# Altium PCB HIVE_BOARD.PcbDoc (part 6 of 9)
Units mm, origin at the board's own origin, x right, y up, seen from the top; angles counter-clockwise.
Board outline 110 x 110 mm, 8 copper layers (Top, GND_1, Signal_1, GND_2, PWR, Signal_2, GND_3, Bottom), stack 1.6 mm thick; 674 components, 473 nets, 2528 pads, 2100 vias.
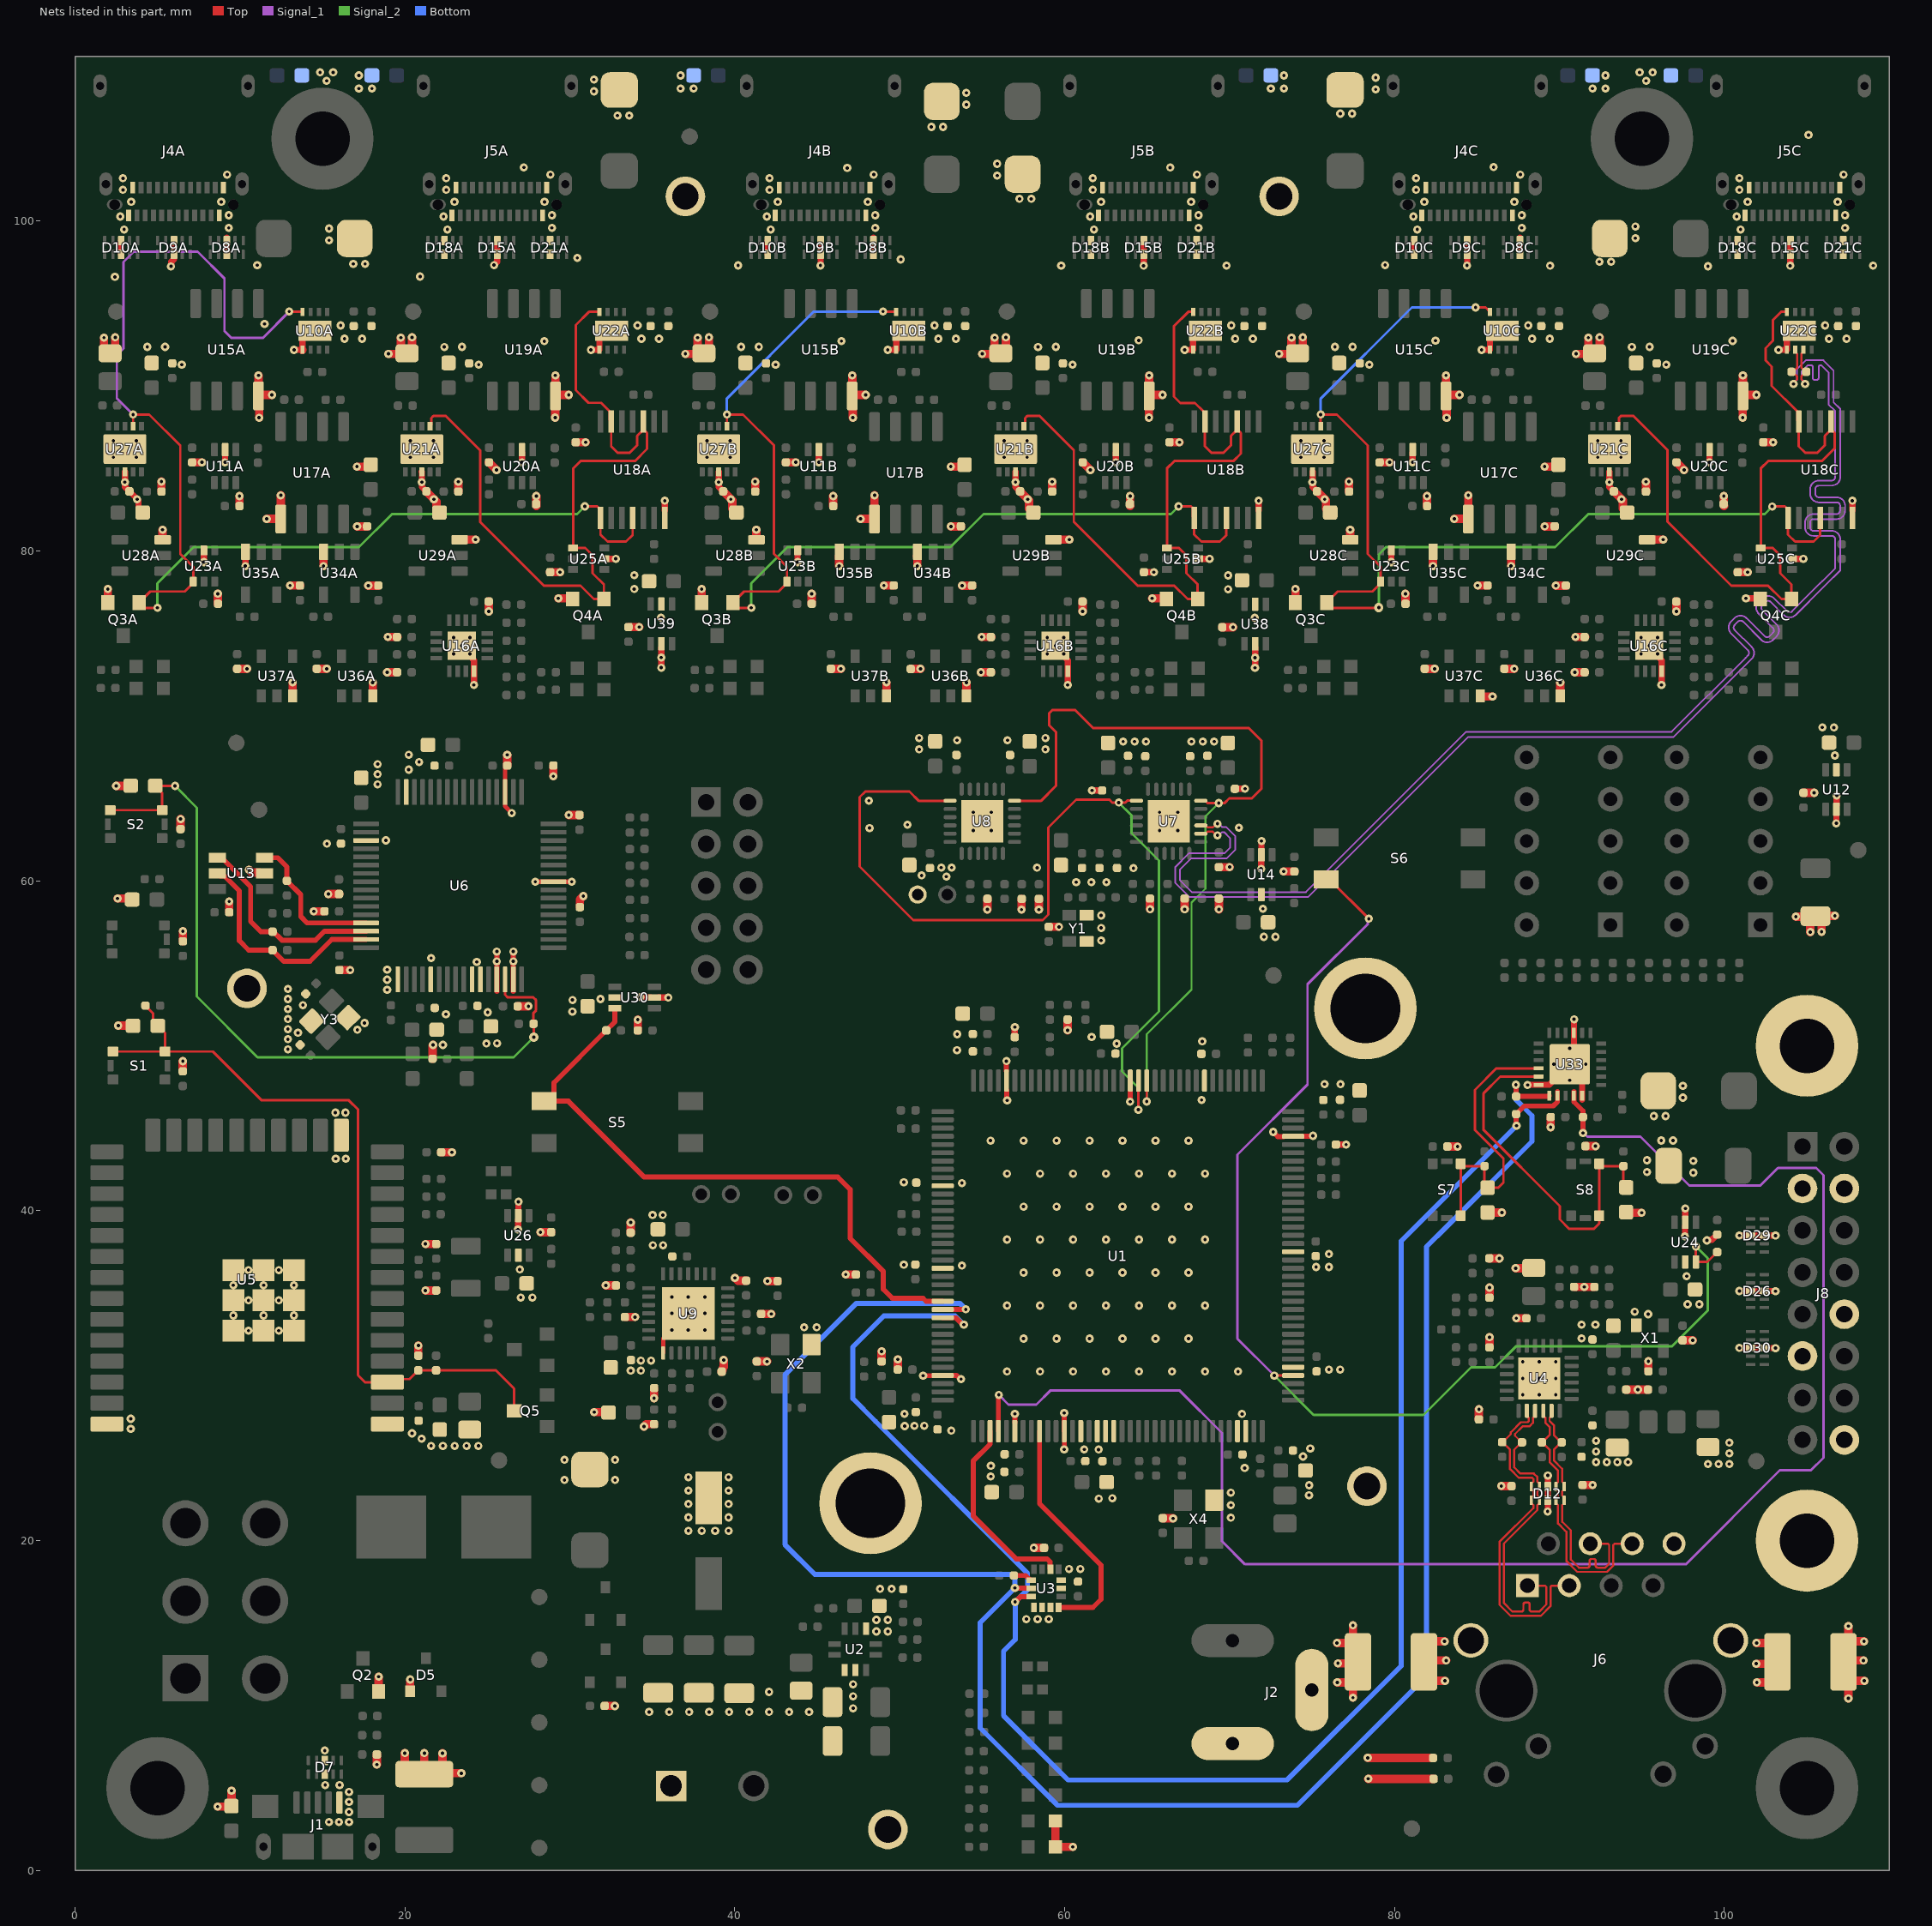
[diagram p12: the nets of this part, all layers, seen from the top]

## Via types
v1: diameter 0.5, hole 0.2, Top to Bottom, tented both sides, 1950 vias
v2: diameter 0.55, hole 0.2, Top to Bottom, tented both sides, 104 vias
v3: diameter 0.5, hole 0.2, Top to Bottom, 41 vias
v4: diameter 0.5, hole 0.2, Top to Bottom, tented bottom, 5 vias

## Nets (pads, with @x,y where several pads share a name; then routed paths per layer and width w, separated by ;. In a path a pad name is that pad's centre, name@x,y a point inside that pad or via, vN(x,y) a via of type N, cw(c..) or ccw(c..) an arc to the next point about the centre after c; other vN are vias at no path point) (continued)
CLK_1C_N: R128C.1 U7.14 U22C.2 | length 87.9
  Top w0.127: U7.14@68.254,62.863 68.542,62.863 68.665,62.986 68.974,62.986 69.198,62.762 v1(69.26,62.762) ; R128C.1@104.093,90.856 R128C.1@104.141,90.856 ; v1(104.186,90.125) 104.186,90.187 104.41,90.411 104.41,90.591 104.336,90.665 104.331,90.665 R128C.1@104.141,90.856 ; U22C.2@104.286,92.201 104.286,92.076 104.409,91.953 104.409,91.402 104.41,91.401 104.41,91.121 104.336,91.046 104.331,91.046 R128C.1@104.141,90.856
  Signal_1 w0.102: v1(69.26,62.762) 69.345,62.762 69.544,62.961 69.666,62.961 70.028,62.598 70.028,62.01 69.696,61.679 67.55,61.679 66.69,60.819 66.69,59.903 67.577,59.017 74.746,59.017 84.463,68.733 96.922,68.733 101.501,73.312 101.644,73.455 ccw(c101.279,73.822) 101.644,74.189 100.619,75.215 cw(c100.77,75.365) 100.62,75.516 100.82,75.716 ; 100.82,75.717 cw(c100.971,75.566) 101.123,75.716 ; 101.123,75.716 102.217,74.622 ; 102.217,74.622 ccw(c102.584,74.988) 102.951,74.622 103.152,74.822 ccw(c102.786,75.189) 103.197,75.504 103.197,75.511 102.297,76.41 cw(c102.447,76.562) 102.297,76.713 ; 102.297,76.713 102.497,76.913 cw(c102.648,76.763) 102.799,76.914 103.584,76.129 ccw(c103.951,76.495) 104.318,76.129 ; v1(104.186,90.125) 104.186,90.185 104.385,90.384 104.385,91.021 104.93,91.566 105.996,91.566 106.617,90.945 106.617,89.014 107.021,88.611 107.021,86.343 107.021,84.486 cw(c106.502,84.486) 106.502,83.968 105.718,83.968 ccw(c105.718,83.755) 105.505,83.755 105.505,83.47 ccw(c105.718,83.47) 105.718,83.257 106.801,83.257 cw(c106.801,82.739) 107.319,82.739 107.319,82.454 cw(c106.801,82.454) 106.801,81.936 105.404,81.936 ccw(c105.404,81.723) 105.191,81.723 105.191,81.438 ccw(c105.404,81.438) 105.404,81.225 106.502,81.225 cw(c106.502,80.707) 107.021,80.707 107.021,80.504 107.021,78.832 106.146,77.957 106.003,77.814 cw(c105.894,77.921) 106.002,77.813 104.318,76.129
CLK_1C_P: R128C.2 U7.15 U22C.3 | length 87.9
  Top w0.127: U7.15@68.254,63.363 68.542,63.363 68.665,63.24 68.974,63.24 69.198,63.464 v1(69.26,63.464) ; U22C.3@104.786,92.201 104.786,92.076 104.663,91.953 104.663,91.507 104.664,91.506 104.664,91.121 104.739,91.046 104.743,91.046 R128C.2@104.934,90.856 ; v1@104.889,90.187 104.664,90.411 104.664,90.591 104.739,90.665 104.743,90.665 R128C.2@104.934,90.856 ; R128C.2@104.982,90.856 R128C.2@104.934,90.856
  Signal_1 w0.102: v1(69.26,63.464) 69.345,63.464 69.544,63.265 69.792,63.265 70.333,62.725 70.333,61.884 69.823,61.374 67.676,61.374 66.995,60.693 66.995,60.03 67.703,59.321 74.62,59.321 84.336,69.038 96.795,69.038 101.286,73.528 101.429,73.671 ccw(c101.279,73.822) 101.429,73.974 100.405,74.998 ; 100.405,74.998 cw(c100.77,75.365) 100.404,75.732 100.605,75.932 cw(c100.971,75.566) 101.287,75.977 101.293,75.977 101.337,75.933 102.434,74.836 ccw(c102.584,74.988) 102.736,74.837 ; 102.736,74.838 102.936,75.037 ; 102.936,75.34 cw(c102.786,75.189) 102.936,75.038 ; 102.936,75.341 102.081,76.195 cw(c102.447,76.562) 102.081,76.929 102.282,77.129 cw(c102.648,76.763) 103.015,77.129 ; 103.015,77.129 103.8,76.344 ; 103.801,76.344 ccw(c103.951,76.495) 104.102,76.345 105.786,78.028 cw(c105.894,77.921) 105.787,78.029 105.93,78.172 106.716,78.958 106.716,80.504 106.716,80.707 ccw(c106.502,80.707) 106.502,80.92 105.404,80.92 cw(c105.404,81.438) 104.886,81.438 104.886,81.723 cw(c105.404,81.723) 105.404,82.241 106.801,82.241 ccw(c106.801,82.454) 107.014,82.454 107.014,82.739 ccw(c106.801,82.739) 106.801,82.952 105.718,82.952 cw(c105.718,83.47) 105.2,83.47 105.2,83.755 cw(c105.718,83.755) 105.718,84.273 106.502,84.273 ccw(c106.502,84.486) 106.716,84.486 106.716,86.343 106.716,88.485 106.312,88.888 106.312,90.819 105.87,91.262 105.819,91.262 ccw(c105.819,91.155) 105.713,91.155 105.713,90.488 cw(c105.606,90.488) 105.606,90.382 105.464,90.382 cw(c105.464,90.488) 105.357,90.488 105.357,91.155 ccw(c105.25,91.155) 105.25,91.262 105.056,91.262 104.69,90.895 104.69,90.384 104.889,90.185 v1(104.889,90.125)
CLK_OE_0#: U1.88 U7.1 U8.1 | length 57.2
  Top w0.152: U8.1@53.054,64.863 53.03,64.839 51.175,64.839 50.592,65.422 47.922,65.422 47.575,65.076 47.575,60.871 50.819,57.627 58.667,57.627 59.004,57.964 59.004,63.236 60.691,64.922 62.713,64.922 62.887,64.748 v1(63.276,64.748) 63.671,64.748 63.786,64.863 U7.1@64.354,64.863 ; v1(64.465,46.126) 64.465,47.878 U1.88@64.476,47.889
  Signal_2 w0.152: v1(63.276,64.748) 64.045,63.979 64.045,62.902 65.709,61.238 65.709,52.082 63.479,49.852 63.479,48.445 64.465,47.459 v1(64.465,46.126)
CLK_OE_1#: U1.87 U7.18 U8.18 | length 49.3
  Top w0.127: v1@64.976,46.627 U1.87@64.976,47.889
  Top w0.152: U8.18@56.978,64.839 58.548,64.839 59.466,65.757 59.466,69.03 59.065,69.431 59.065,70.167 59.256,70.358 60.633,70.358 61.733,69.258 71.175,69.258 71.927,68.506 71.927,65.585 71.34,64.999 69.977,64.999 69.706,64.727 69.35,64.727 v1(69.342,64.719) 68.665,64.719 68.521,64.863 U7.18@68.254,64.863
  Signal_2 w0.127: v1(64.976,46.626) 64.973,46.63 64.973,50.703 67.689,53.419 67.689,58.681 68.537,59.529 68.537,63.915 v1(69.342,64.719)
DEB_PWR_EN: R125.2 S5.3 U1.132 U30.3 | length 38.9
  Top w0.305: S5.3@28.435,46.643 S5.3@28.635,46.643 ; U30.3@32.724,52.281 32.724,51.454 R125.2@32.205,50.935 29.033,47.763 29.033,47.041 S5.3@28.635,46.643 ; U1.132@52.601,34.514 51.598,34.514 51.416,34.696 49.552,34.696 49.005,35.244 49.005,36.317 46.992,38.33 46.992,41.297 46.246,42.043 34.51,42.043 29.91,46.643 S5.3@28.635,46.643
EN_WROOM: C68.1 C97.2 Q5.3 R38.1 R91.1 S1.3 S1.4 U5.3 | length 47.5
  Top w0.152: S1.4@2.305,49.655 S1.3@5.455,49.655 ; R38.1@4.267,52.439 4.719,51.986 4.719,51.494 4.999,51.215 C68.1@5.011,51.215 5.024,51.215 5.455,50.783 S1.3@5.455,49.655 ; Q5.3@26.623,27.873 26.623,29.22 25.517,30.326 R91.1@21.889,30.326 C97.2@20.812,30.326 20.28,29.794 19.116,29.794 U5.3@18.932,29.609 17.576,29.609 17.152,30.033 17.152,46.143 16.601,46.694 11.318,46.694 8.357,49.655 S1.3@5.455,49.655
ETH_GND: C60.1 C61.1 J6.13 J6.14 | length 6.7
  Top w0.508: C60.1@82.42,13.894 v1@83.034,13.894 ; C60.1@82.438,11.506 v1@83.052,11.506 ; C60.1@82.509,12.74 v1@83.124,12.74 ; v1@101.934,12.534 C61.1@102.569,12.534 ; v1(101.943,13.798) 101.949,13.791 102.667,13.791 103.213,13.245 103.213,11.955 102.667,11.409 v1(101.961,11.409)
  other v1: 83.052,11.501 101.927,12.54 83.124,12.735 83.034,13.889
ETH_PWR_EN: R109.2 S6.4 U1.40 U24.3 | length 73.2
  Top w0.152: v1(72.707,30.008) 72.71,30.011 73.848,30.011 U1.40@73.851,30.014 ; S6.4@75.852,60.095 76.052,60.095 78.439,57.709 v1(78.439,57.706) ; U24.3@98.268,36.899 v1(98.267,37.838) ; U24.3@98.269,36.898 98.96,36.898 R109.2@99.56,37.498
  Signal_1 w0.152: v1(72.707,30.008) 70.472,32.243 70.472,43.397 74.722,47.647 74.722,53.731 78.382,57.391 78.382,57.649 v1(78.439,57.706)
  Signal_2 w0.152: v1(72.707,30.008) 75.088,27.626 81.754,27.626 84.635,30.508 86.088,30.508 87.355,31.775 96.809,31.775 98.986,33.952 98.986,37.119 v1(98.267,37.838)
ETH_RX_N: D12.4 D12.7 J6.6 R44.1 U4.22 | length 16
  Top w0.127: R44.1@88.929,25.961 R44.1@88.956,25.961 ; U4.22@89.019,27.872 89.019,27.572 89.142,27.449 89.142,27.152 89.403,26.89 89.403,26.407 88.957,25.961 R44.1@88.956,25.961 ; J6.6@94.405,19.814 93.336,19.814 93.262,19.739 93.262,18.496 92.876,18.11 91.071,18.11 90.429,18.752 90.429,20.52 90.33,20.62 89.91,21.039 89.91,22.149 89.836,22.223 89.824,22.223 89.787,22.26 D12.4@89.787,22.442 89.787,22.625 89.824,22.661 89.836,22.661 89.91,22.735 89.91,22.984 89.836,23.058 89.824,23.058 89.787,23.095 D12.7@89.787,23.277 89.787,23.46 89.824,23.496 89.836,23.496 89.91,23.57 89.91,24.252 89.403,24.759 89.403,25.513 R44.1@88.956,25.961
ETH_RX_P: D12.5 D12.6 J6.4 R43.1 U4.23 | length 16
  Top w0.127: U4.23@89.519,27.872 89.519,27.572 89.396,27.449 89.396,27.257 89.657,26.996 89.657,26.407 90.103,25.961 R43.1@90.105,25.961 ; R43.1@90.132,25.961 R43.1@90.105,25.961 ; J6.4@91.865,19.814 92.933,19.814 93.008,19.739 93.008,18.601 92.771,18.364 92.326,18.364 cw(c92.326,18.491) 92.199,18.491 92.199,18.774 ccw(c92.085,18.774) 92.085,18.889 91.932,18.889 ccw(c91.932,18.774) 91.818,18.774 91.818,18.491 cw(c91.691,18.491) 91.691,18.364 91.265,18.364 91.176,18.364 90.683,18.857 90.683,20.625 90.164,21.144 90.164,22.149 90.239,22.223 90.251,22.223 90.287,22.26 D12.5@90.287,22.442 90.287,22.625 90.251,22.661 90.239,22.661 90.164,22.735 90.164,22.984 90.239,23.058 90.251,23.058 90.287,23.095 D12.6@90.287,23.277 90.287,23.46 90.251,23.496 90.239,23.496 90.164,23.57 90.164,24.357 89.657,24.864 89.657,25.513 R43.1@90.105,25.961
ETH_TX_N: D12.1 D12.10 J6.3 R42.1 U4.20 | length 21
  Top w0.127: R42.1@86.523,25.972 R42.1@86.535,25.972 ; U4.20@88.019,27.872 88.019,27.572 88.142,27.449 88.142,27.257 88.068,27.182 87.662,27.182 87.05,26.571 87.05,26.465 86.557,25.972 R42.1@86.535,25.972 ; J6.3@90.595,17.274 89.526,17.274 89.452,17.199 89.452,16.028 88.869,15.445 87.039,15.445 86.361,16.123 86.361,19.92 88.41,21.969 88.41,22.149 88.336,22.223 88.324,22.223 88.287,22.26 D12.1@88.287,22.442 88.287,22.625 88.324,22.661 88.336,22.661 88.41,22.735 88.41,22.984 88.336,23.058 88.324,23.058 88.287,23.095 D12.10@88.287,23.277 88.287,23.46 88.41,23.583 88.41,23.743 88.336,23.817 87.525,23.817 86.998,24.344 86.998,25.509 R42.1@86.535,25.972
ETH_TX_P: D12.2 D12.9 J6.1 R41.1 U4.21 | length 21
  Top w0.127: R41.1@87.703,25.961 87.252,25.509 87.252,24.449 87.63,24.071 88.441,24.071 88.664,23.848 88.664,23.57 88.739,23.496 88.751,23.496 88.787,23.46 D12.9@88.787,23.277 88.787,23.095 88.751,23.058 88.739,23.058 88.664,22.984 88.664,22.735 88.739,22.661 88.751,22.661 88.787,22.625 D12.2@88.787,22.442 88.787,22.26 88.751,22.223 88.739,22.223 88.664,22.149 88.664,21.864 86.615,19.815 86.615,16.228 87.144,15.699 87.439,15.699 87.684,15.699 ccw(c87.684,15.826) 87.811,15.826 87.811,16.133 cw(c87.925,16.133) 87.925,16.247 88.078,16.247 cw(c88.078,16.133) 88.192,16.133 88.192,15.826 ccw(c88.319,15.826) 88.319,15.699 88.763,15.699 89.198,16.133 89.198,17.199 89.123,17.274 J6.1@88.055,17.274 ; R41.1@87.726,25.961 87.704,25.961 87.304,26.36 87.304,26.466 87.767,26.928 88.173,26.928 88.396,27.152 88.396,27.449 88.519,27.572 U4.21@88.519,27.872
FTDI_EECLK: R68.1 U6.62 U13.4 | length 12.6
  Top w0.305: U13.4@8.636,61.406 8.784,61.258 9.031,61.258 10.644,59.645 10.644,57.545 11.267,56.922 R68.1@11.976,56.922 ; R68.1@11.976,56.972 12.541,56.407 14.578,56.407 15.123,56.952 U6.62@17.641,56.952
FTDI_EECS: R69.1 U6.63 U13.5 | length 13.5
  Top w0.305: U13.5@8.636,60.456 8.784,60.308 9.042,60.308 9.961,59.39 9.961,56.371 10.528,55.804 R69.1@11.976,55.804 12.649,55.131 14.243,55.131 15.564,56.452 U6.63@17.641,56.452
FTDI_EEDATA: R72.1 U6.61 U13.3 | length 9.1
  Top w0.305: U13.3@11.486,61.406 12.292,61.406 12.844,60.854 R72.1@12.844,60.005 13.682,59.167 13.682,57.835 14.065,57.452 U6.61@17.641,57.452
FTDI_RESET: C91.1 R66.1 S2.3 S2.4 U6.14 | length 47
  Top w0.152: S2.4@2.133,64.29 S2.3@5.283,64.29 5.283,65.328 4.866,65.745 C91.1@4.866,65.772 ; C91.1@4.866,65.759 v1@6.06,65.759 ; U6.14@26.071,54.022 26.075,54.019 26.075,53.097 26.238,52.934 27.788,52.934 27.954,52.768 27.954,52.152 27.795,51.993 R66.1@27.795,51.336 27.804,51.327 27.804,50.532 v2(27.813,50.523)
  Signal_2 w0.152: v1(6.063,65.755) 7.384,64.435 7.384,52.988 11.062,49.309 26.598,49.309 v2(27.813,50.523)
GND: C1.1 C2.2 C3.1 C4.2 C5.1 C6.2 C7.2 C8.2 C9.2 C10.2 C11.1 C12.2 C13.2 C14.2 C15.2 C16.2 C17.2 C18.2 C19.2 C20.1 C21.1 C22.1 C23.1 C24.1 C25.1 C27.2 C28.1 C29.1 C30.2 C31.1 C32.1 C33.1 C34.1 C35.1 C36.1 C37.2 C38.2 C39.2 C40.2 C41.1 C42.1 C43.1 C44.1 C45.1 C46.1 C47.1 C48.1 C49.1 C50.1 C51.2 C52.2 C53.2 C54.1 C55.2 C56.1 C57.2 C58.2 C59.1 C60.2 C61.2 C62.1 C63.2 C64.1 C65.2 C66.1 C67.1 C68.2 C69.2 C70.2 C71.2 C72.2 C73.1 C74.1 C75.1 C76.1 C77.2 C78.2 C79.2 C80.2 C81.1 C82.2 C83.1 C84.2 C85.1 C86.2 C87.2 C88.1 C89.1 C90.2 C91.2 C92.1 C93.1 C95.1 C96.2 C97.1 C98.1 C99.1 C100.2 C101.1 C102.1 C103.1 C104.1 C105.2 C106.1 C107.2 C108A.1 C108B.1 C108C.1 C109A.1 C109B.1 C109C.1 C110A.2 C110B.2 C110C.2 C111A.2 C111B.2 C111C.2 C112.2 C113A.1 C113B.1 C113C.1 C114A.2 C114B.2 C114C.2 C115A.2 C115B.2 C115C.2 C116.2 C117A.1 C117B.1 C117C.1 C118A.2 C118B.2 C118C.2 C119A.2 C119B.2 C119C.2 C120A.2 C120B.2 C120C.2 C121A.2 C121B.2 C121C.2 C122A.2 C122B.2 C122C.2 C123.1 C124A.1 C124B.1 C124C.1 C125A.1 C125B.1 C125C.1 C126A.1 C126B.1 C126C.1 C127A.1 C127B.1 C127C.1 C128A.1 C128B.1 C128C.1 C129.2 C130.1 C131.2 C132.2 C133A.1 C133B.1 C133C.1 C134.2 C135.2 C136.2 C137.2 C138.2 C139A.2 C139B.2 C139C.2 C140A.1 C140B.1 C140C.1 C141A.1 C141B.1 C141C.1 C142.2 C143.2 C144.2 C145A.2 C145B.2 C145C.2 C146A.2 C146B.2 C146C.2 C147.2 C148.1 C149.1 C150A.2 C150B.2 C150C.2 C151A.2 C151B.2 C151C.2 C152.2 C153.2 C154.2 C155.2 D3.2 D4.K D5.1 D6.K D7.3 D7.8 D8A.3 D8A.8 D8B.3 D8B.8 D8C.3 D8C.8 D9A.3 D9A.8 D9B.3 D9B.8 D9C.3 D9C.8 D10A.3 D10A.8 D10B.3 D10B.8 D10C.3 D10C.8 D11A.2 D11B.2 D11C.2 D12.3 D12.8 D15A.3 D15A.8 D15B.3 D15B.8 D15C.3 D15C.8 D16A.2 D16B.2 D16C.2 D18A.3 D18A.8 D18B.3 D18B.8 D18C.3 D18C.8 D21A.3 D21A.8 D21B.3 D21B.8 D21C.3 D21C.8 D26.3 D26.8 D27.2 D28.A D29.3 D29.8 D30.3 D30.8 J1.5 J2.2 J2.3 J3.1 J4A.A1 J4A.A12 J4A.B1 J4A.B12 J4B.A1 J4B.A12 J4B.B1 J4B.B12 J4C.A1 J4C.A12 J4C.B1 J4C.B12 J5A.A1 J5A.A12 J5A.B1 J5A.B12 J5B.A1 J5B.A12 J5B.B1 J5B.B12 J5C.A1 J5C.A12 J5C.B1 J5C.B12 J6.8 J8.3 J8.4 J8.10 J8.11 J8.16 MEC1.1 MEC2.1 MTH5.1 MTH6.1 Q2.2 Q3A.2 Q3B.2 Q3C.2 Q4A.2 Q4B.2 Q4C.2 R9.1 R12.2 R14.1 R17.2 R20.2 R26.1 R30.1 R34.2 R39.1 R49.1 R50.1 R51.1 R52.1 R59.1 R61.1 R65.2 R71.1 R74.1 R75.1 R76.1 R78.1 R83.1 R84.1 R86.2 R88.1 R90.2 R97A.2 R97B.2 R97C.2 R106A.2 R106B.2 R106C.2 R108A.1 R108B.1 R108C.1 R118A.2 R118B.2 R118C.2 R122.2 R126.2 R127A.2 R127B.2 R127C.2 R133A.2 R133B.2 R133C.2 R149.1 R150.1 R154A.1 R154B.1 R154C.1 R155A.1 R155B.1 R155C.1 R157.1 R158.1 R159.1 R160.1 R176.2 R180.2 R181.2 R183.1 TP12.2 TP13.1 TP14.1 TP15.1 TP16.1 TP21.1 U1.6 U1.12 U1.14 U1.16 U1.17 U1.18 U1.33 U1.34 U1.41 U1.55 U1.69 U1.80 U1.89 U1.104 U1.118 U1.128 U1.141 U2.3 U2.4 U2.8 U3.1 U3.2 U3.3 U3.6 U3.7 U4.25 U5.1 U5.15 U5.38 U5.39 U6.1 U6.5 U6.10 U6.11 U6.13 U6.15 U6.25 U6.35 U6.47 U6.51 U7.25 U8.25 U9.15 U9.29 U10A.1 U10A.9 U10B.1 U10B.9 U10C.1 U10C.9 U11A.2 U11B.2 U11C.2 U12.2 U12.5 U13.2 U14.2 U14.5 U15A.4 U15B.4 U15C.4 U16A.12 U16A.17 U16B.12 U16B.17 U16C.12 U16C.17 U17A.5 U17B.5 U17C.5 U18A.7 U18B.7 U18C.7 U19A.4 U19B.4 U19C.4 U20A.2 U20B.2 U20C.2 U21A.3 U21A.11 U21B.3 U21B.11 U21C.3 U21C.11 U22A.1 U22A.9 U22B.1 U22B.9 U22C.1 U22C.9 U23A.2 U23B.2 U23C.2 U24.2 U24.5 U25A.2 U25B.2 U25C.2 U26.2 U26.5 U27A.3 U27A.11 U27B.3 U27B.11 U27C.3 U27C.11 U28A.3 U28B.3 U28C.3 U29A.3 U29B.3 U29C.3 U30.2 U30.5 U33.9 U33.18 U33.23 U33.25 U34A.3 U34B.3 U34C.3 U35A.3 U35B.3 U35C.3 U36A.3 U36B.3 U36C.3 U37A.3 U37B.3 U37C.3 U38.2 U38.5 U39.2 U39.5 X1.2 X2.2 X4.2 Y1.1 Y1.2 Y3.2 Y3.4 | length 258.3
  Top w0.254: C71.2@26.203,66.991 26.203,66.977 26.071,66.846 U6.35@26.071,65.382 26.071,64.524 v1(26.478,64.117) ; U9.15@35.655,31.377 35.655,32.254 v1(36.179,32.778)
  Top w0.305: U6.13@25.571,53.292 U6.13@25.571,54.022 v1(25.571,55.123) v1(25.571,55.715) ; U6.15@26.571,53.292 U6.15@26.571,54.022 v1(26.571,55.123) v1(26.571,55.715) ; v1(27.904,59.946) v1@30.105,59.946 ; v1@51.424,30.005 U1.141@52.023,30.005 ; U1.141@52.601,30.014 52.604,30.017 53.172,30.017 53.179,30.023 53.44,30.023 53.666,29.797 v1(53.716,29.797) ; U1.104@56.467,48.468 v1@56.467,49.067 ; v1@56.49,46.707 U1.104@56.49,47.306 ; U1.6@56.982,27.17 v1(56.982,27.692) ; v1(59.969,25.527) 59.979,25.536 U1.12@59.979,26.637 ; v1(59.969,27.737) 59.969,27.215 59.974,27.211 U1.12@59.976,26.639 U1.12@59.976,26.639 ; v1@63.976,46.614 U1.89@63.976,47.889 ; v1@72.644,44.769 72.911,44.502 U1.69@73.27,44.502 ; U1.69@73.851,44.514 73.854,44.517 74.422,44.517 74.432,44.526 75.031,44.526 v1(75.051,44.546)
  Top w0.381: D10A.8@2.8,97.982 D10A.3@2.8,98.817 D10A.3@2.809,98.827 ; U27A.3@3.023,84.797 3.025,84.795 3.025,83.889 C140A.1@3.296,83.617 3.843,83.071 3.843,82.575 4.084,82.334 C139A.2@4.097,82.334 ; v1(5.817,97.257) 5.839,97.279 5.839,97.544 5.99,97.695 5.99,97.973 D9A.8@6,97.982 D9A.3@6,98.817 ; U23A.2@7.798,79.934 7.803,79.928 v1(7.803,79.328) ; v1@9.093,85.454 U11A.2@9.093,85.979 ; D8A.8@9.2,98.149 D8A.3@9.2,98.817 D8A.3@9.2,98.984 ; C110A.2@9.964,82.733 C110A.2@9.97,82.728 ; U35A.3@10.319,79.692 10.325,79.686 v1(10.325,79.086) ; v1(13.274,92.194) U10A.1@13.78,92.194 ; U10A.1@13.786,92.201 13.786,92.941 14.196,93.351 U10A.9@14.536,93.351 ; U21A.3@21.023,84.797 21.025,84.795 21.025,83.889 C124A.1@21.296,83.617 ; D18A.3@22.4,98.817 D18A.3@22.41,98.827 ; U29A.3@23.298,80.696 U29A.3@23.308,80.686 ; v1(23.444,74.256) 24.003,73.697 24.072,73.697 24.103,73.665 24.103,73.464 24.194,73.374 U16A.12@24.194,72.706 24.194,71.882 v1(24.181,71.882) ; v1(25.4,97.333) 25.59,97.523 D15A.8@25.59,97.973 ; D15A.3@25.59,98.808 D15A.8@25.59,97.973 ; D15A.3@25.6,98.817 D15A.8@25.6,97.982 D15A.8@25.59,97.973 ; v1@26.859,38.864 U26.5@26.859,39.478 ; U26.5@26.876,39.937 v1@26.876,40.551 ; v1@27.093,85.454 U20A.2@27.093,85.979 ; v1(31.274,92.194) 31.78,92.194 U22A.1@31.786,92.201 U22A.9@31.786,92.941 ; U25A.2@32.182,79.527 v1(32.782,79.527) ; v1@34.28,52.944 U30.5@34.894,52.944 ; U30.5@35.353,52.927 v1@35.967,52.927 ; v1@35.542,72.927 v1(35.542,73.542) ; v1@35.547,73.542 U39.5@35.547,74.156 ; U18A.7@35.755,82.449 v1(35.755,83.049) ; U27B.3@39.025,84.795 39.025,83.889 C140B.1@39.296,83.617 ; C139B.2@39.843,82.575 40.084,82.334 C139B.2@40.097,82.334 ; D10B.8@42,97.983 D10B.3@42,98.817 D10B.3@42.01,98.827 ; U23B.2@43.798,79.934 43.803,79.928 v1(43.803,79.328) ; v1@45.093,85.454 U11B.2@45.093,85.979 ; v1@45.2,97.308 D9B.3@45.2,98.817 ; D8B.8@48.4,98.15 D8B.3@48.4,98.985 ; v1(49.274,92.194) 49.78,92.194 U10B.1@49.786,92.201 49.786,92.941 50.196,93.351 U10B.9@50.536,93.351 ; C29.1@56.972,50.521 C29.1@56.972,50.528 v1@56.972,51.135 ; U21B.3@57.025,84.795 57.025,83.889 C124B.1@57.296,83.617 ; v1(59.444,74.256) 60.003,73.697 60.072,73.697 60.103,73.665 60.103,73.464 60.194,73.374 U16B.12@60.194,72.706 60.194,71.882 v1(60.181,71.882) ; D18B.3@61.6,98.817 D18B.3@61.61,98.827 ; v1@61.654,65.481 C99.1@62.268,65.481 ; v1@63.093,85.454 U20B.2@63.093,85.979 ; v1@64.791,97.298 D15B.8@64.791,97.973 ; D15B.3@64.791,98.808 D15B.8@64.791,97.973 ; D15B.3@64.8,98.817 64.8,97.983 D15B.8@64.791,97.973 ; C133B.1@64.807,78.717 v1(65.406,78.717) ; v1(67.274,92.194) 67.78,92.194 U22B.1@67.786,92.201 U22B.9@67.786,92.941 ; U25B.2@68.182,79.527 v1(68.782,79.527) ; C103.1@70.32,65.583 v1@70.934,65.583 ; v1@71.542,72.916 v1(71.542,73.531) ; v1@71.547,73.531 U38.5@71.547,74.145 ; U18B.7@71.755,82.449 v1(71.755,83.049) ; v1@71.912,60.733 U14.5@71.912,61.347 ; U14.5@71.929,61.806 v1@71.929,62.42 ; U27C.3@75.025,84.795 75.025,83.889 C140C.1@75.296,83.617 ; C28.1@76.446,44.017 v1@77.06,44.017 ; U23C.2@79.798,79.934 79.803,79.928 v1(79.803,79.328) ; v1@81.093,85.454 U11C.2@81.093,85.979 ; D10C.8@81.2,97.982 D10C.3@81.2,98.817 D10C.3@81.21,98.827 ; v1@84.4,97.308 D9C.3@84.4,98.817 ; v1(85.274,92.194) 85.78,92.194 U10C.1@85.786,92.201 85.786,92.941 86.196,93.351 U10C.9@86.536,93.351 ; D8C.8@87.6,98.15 D8C.3@87.6,98.985 ; v1@88.018,47.636 U33.18@88.724,47.636 89.374,47.636 v4(90.624,48.886) ; v1@89.287,21.767 D12.3@89.287,22.442 D12.8@89.287,23.277 v1@89.287,23.952 ; v1(90.881,51.613) 90.881,49.143 v4(90.624,48.886) ; U33.23@91.374,46.745 U33.23@91.374,46.986 91.374,48.136 v4(90.624,48.886) ; U21C.3@93.025,84.795 93.025,83.889 C124C.1@93.296,83.617 ; v1@94.748,29.156 v1@94.75,29.154 ; v1(95.444,74.256) 96.003,73.697 96.072,73.697 96.103,73.665 96.103,73.464 96.194,73.374 U16C.12@96.194,72.706 96.194,71.882 v1(96.181,71.882) ; v1@97.606,38.454 U24.5@97.606,39.068 ; U24.5@97.622,39.527 v1@97.622,40.141 ; v1(98.933,38.202) 98.965,38.234 99.239,38.234 C129.2@99.56,38.556 ; v1@99.093,85.454 U20C.2@99.093,85.979 ; D18C.3@100.8,98.817 D18C.3@100.81,98.827 ; v1@100.907,31.68 D30.3@101.582,31.68 D30.8@102.417,31.68 v1@103.093,31.68 ; v1@100.907,35.132 D26.3@101.582,35.132 D26.8@102.417,35.132 v1@103.093,35.132 ; v1@100.907,38.5 D29.3@101.582,38.5 D29.8@102.417,38.5 v1@103.093,38.5 ; v1(101.301,77.133) Q4C.2@101.901,77.133 ; v1(103.274,92.194) 103.78,92.194 U22C.1@103.786,92.201 U22C.9@103.786,92.941 ; v1@103.991,97.298 D15C.8@103.991,97.973 ; D15C.3@103.991,98.808 D15C.8@103.991,97.973 ; D15C.3@104,98.817 D15C.8@104,97.982 D15C.8@103.991,97.973 ; U25C.2@104.182,79.527 v1(104.782,79.527) ; v1@106.785,63.491 U12.5@106.785,64.105 ; U12.5@106.801,64.563 v1@106.801,65.178 ; U18C.7@107.755,82.449 v1(107.755,83.049)